# Altium PCB XTIDA-010086.PcbDoc (part 11 of 17) (continued)
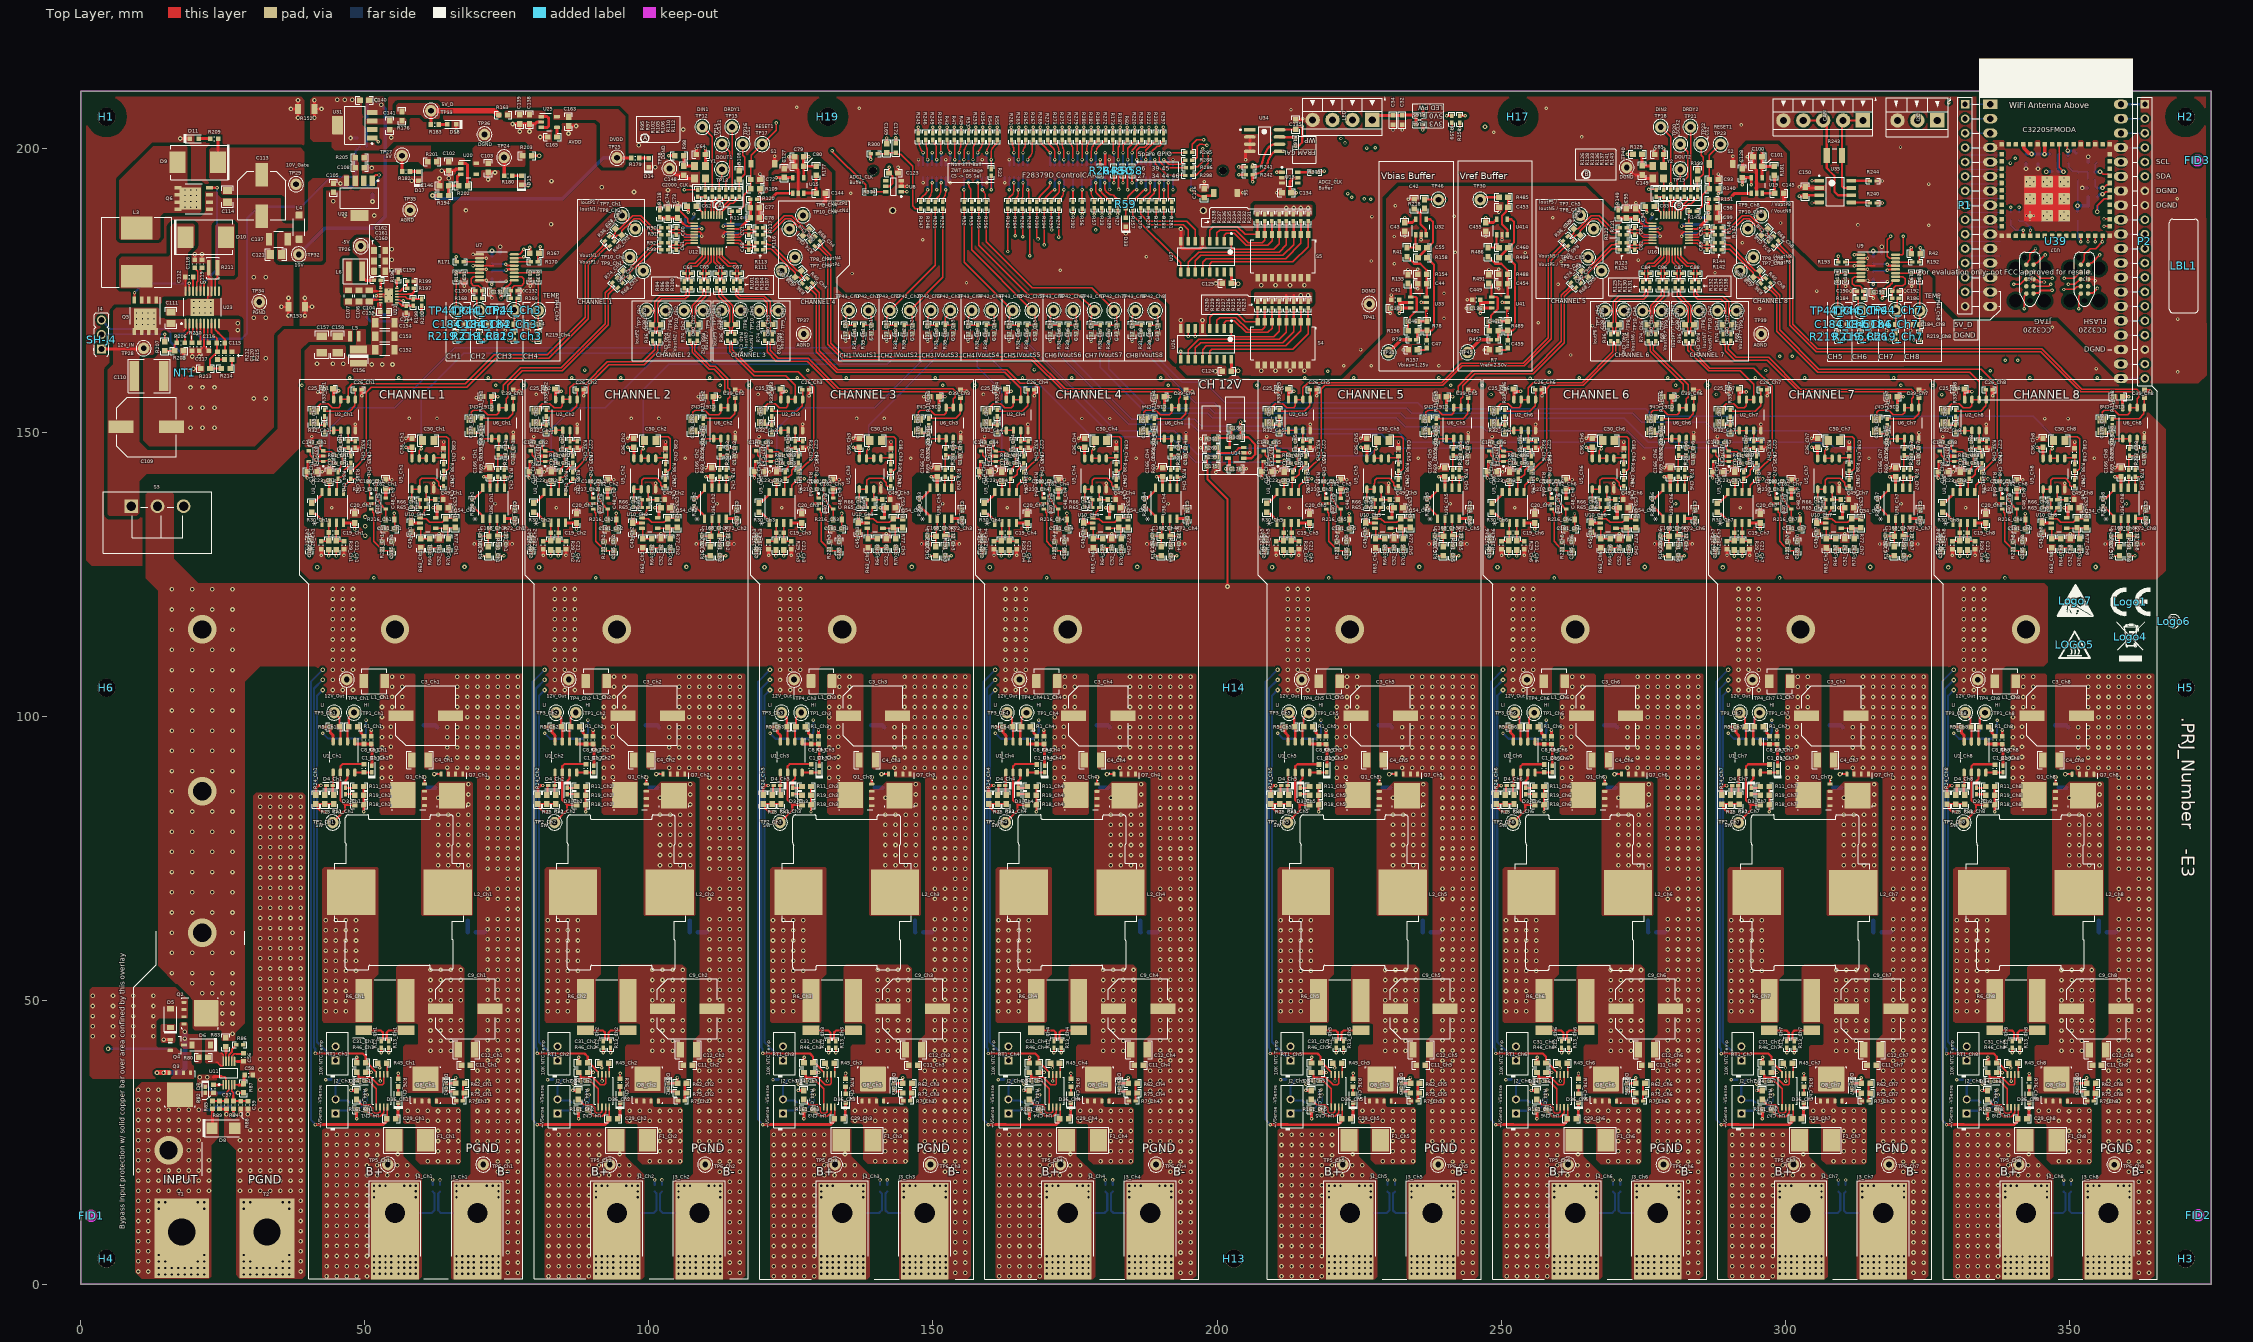
[diagram p0: Top Layer view]
## Nets (pads, with @x,y where several pads share a name; then routed paths per layer and width w, separated by ;. In a path a pad name is that pad's centre, name@x,y a point inside that pad or via, vN(x,y) a via of type N, cw(c..) or ccw(c..) an arc to the next point about the centre after c; other vN are vias at no path point) (continued)
NetC168_Ch8_2: C168_Ch8.2 C172_Ch8.1 R72_Ch8.1 R291_Ch8.1 U36_Ch8.3 | length 6.5
  Top Layer w0.254: U36_Ch8.3@360.399,134.746 360.399,133.065 C168_Ch8.2@360.378,133.044 360.378,131.747 R72_Ch8.1@360.498,131.628 ; R291_Ch8.1@360.529,129.837 360.498,129.868 R72_Ch8.1@360.498,131.628 ; C172_Ch8.1@361.958,131.693 361.893,131.628 R72_Ch8.1@360.498,131.628
NetC170_Ch1_2: C170_Ch1.2 R287_Ch1.2 U6_Ch1.3 | length 3
  Top Layer w0.254: R287_Ch1.2@74.828,147.082 R287_Ch1.2@74.841,147.094 ; U6_Ch1.3@74.854,148.862 74.841,148.849 R287_Ch1.2@74.841,147.094 ; C170_Ch1.2@76.073,147.156 76.036,147.119 74.866,147.119 R287_Ch1.2@74.841,147.094
NetC170_Ch2_2: C170_Ch2.2 R287_Ch2.2 U6_Ch2.3 | length 3
  Top Layer w0.254: R287_Ch2.2@113.894,147.08 R287_Ch2.2@113.906,147.092 ; U6_Ch2.3@113.919,148.86 113.906,148.848 R287_Ch2.2@113.906,147.092 ; C170_Ch2.2@115.138,147.154 115.101,147.117 113.931,147.117 R287_Ch2.2@113.906,147.092
NetC170_Ch3_2: C170_Ch3.2 R287_Ch3.2 U6_Ch3.3 | length 3
  Top Layer w0.254: R287_Ch3.2@153.568,147.078 R287_Ch3.2@153.581,147.091 ; U6_Ch3.3@153.594,148.858 153.581,148.846 R287_Ch3.2@153.581,147.091 ; C170_Ch3.2@154.813,147.152 154.776,147.115 153.606,147.115 R287_Ch3.2@153.581,147.091
NetC170_Ch4_2: C170_Ch4.2 R287_Ch4.2 U6_Ch4.3 | length 3
  Top Layer w0.254: R287_Ch4.2@193.243,147.076 R287_Ch4.2@193.256,147.089 ; U6_Ch4.3@193.269,148.856 193.256,148.844 R287_Ch4.2@193.256,147.089 ; C170_Ch4.2@194.488,147.15 194.45,147.113 193.28,147.113 R287_Ch4.2@193.256,147.089
NetC170_Ch5_2: C170_Ch5.2 R287_Ch5.2 U6_Ch5.3 | length 3
  Top Layer w0.254: R287_Ch5.2@242.918,147.074 R287_Ch5.2@242.931,147.087 ; U6_Ch5.3@242.943,148.854 242.931,148.842 R287_Ch5.2@242.931,147.087 ; C170_Ch5.2@244.163,147.148 244.125,147.111 242.955,147.111 R287_Ch5.2@242.931,147.087
NetC170_Ch6_2: C170_Ch6.2 R287_Ch6.2 U6_Ch6.3 | length 3
  Top Layer w0.254: R287_Ch6.2@282.593,147.072 R287_Ch6.2@282.606,147.085 ; U6_Ch6.3@282.618,148.852 282.606,148.84 R287_Ch6.2@282.606,147.085 ; C170_Ch6.2@283.837,147.146 283.8,147.109 282.63,147.109 R287_Ch6.2@282.606,147.085
NetC170_Ch7_2: C170_Ch7.2 R287_Ch7.2 U6_Ch7.3 | length 3
  Top Layer w0.254: R287_Ch7.2@322.268,147.07 R287_Ch7.2@322.28,147.083 ; U6_Ch7.3@322.293,148.85 322.28,148.838 R287_Ch7.2@322.28,147.083 ; C170_Ch7.2@323.512,147.144 323.475,147.107 322.305,147.107 R287_Ch7.2@322.28,147.083
NetC170_Ch8_2: C170_Ch8.2 R287_Ch8.2 U6_Ch8.3 | length 3
  Top Layer w0.254: R287_Ch8.2@361.942,147.068 R287_Ch8.2@361.955,147.081 ; U6_Ch8.3@361.968,148.848 361.955,148.836 R287_Ch8.2@361.955,147.081 ; C170_Ch8.2@363.187,147.142 363.15,147.105 361.98,147.105 R287_Ch8.2@361.955,147.081
NetC178_Ch1_1: C178_Ch1.1 R68_Ch1.1 U6_Ch1.6 U6_Ch1.7 | length 42.6
  Top Layer w0.254: C178_Ch1.1@68.682,152.197 68.682,153.476 69.054,153.848 70.796,153.848 71.585,153.058 73.212,153.058 73.584,153.43 U6_Ch1.7@73.584,154.312 U6_Ch1.6@74.854,154.312 74.854,155.865 75.146,156.157 75.146,158.271 77.682,160.807 84.766,160.807 92.812,168.853 92.812,174.233 93.624,175.045 93.898,175.045 94.242,175.388 R68_Ch1.1@94.486,175.388
NetC178_Ch1_2: C178_Ch1.2 R71_Ch1.1 R302_Ch1.2 | length 3.4
  Top Layer w0.254: C178_Ch1.2@68.682,150.165 69.098,149.749 R302_Ch1.2@70.51,149.749 R71_Ch1.1@70.51,151.19
NetC178_Ch2_1: C178_Ch2.1 R68_Ch2.1 U6_Ch2.6 U6_Ch2.7 | length 24
  Top Layer w0.254: C178_Ch2.1@107.747,152.195 107.747,153.474 108.119,153.846 109.861,153.846 110.65,153.056 112.277,153.056 112.649,153.428 U6_Ch2.7@112.649,154.31 U6_Ch2.6@113.919,154.31 113.919,155.863 114.211,156.155 114.211,157.51 113.894,157.827 113.894,159.361 111.685,161.569 110.818,161.569 108.074,164.314 108.074,165.197 108.311,165.434 108.311,165.877 R68_Ch2.1@108.484,166.05
NetC178_Ch2_2: C178_Ch2.2 R71_Ch2.1 R302_Ch2.2 | length 3.4
  Top Layer w0.254: C178_Ch2.2@107.747,150.163 108.163,149.747 R302_Ch2.2@109.576,149.747 R71_Ch2.1@109.576,151.188
NetC178_Ch3_1: C178_Ch3.1 R68_Ch3.1 U6_Ch3.6 U6_Ch3.7 | length 49.3
  Top Layer w0.254: R68_Ch3.1@121.709,166.026 121.322,165.639 121.322,164.397 122.748,162.972 128.052,162.972 133.441,157.583 153.514,157.583 153.886,157.211 153.886,156.153 153.594,155.861 U6_Ch3.6@153.594,154.308 U6_Ch3.7@152.324,154.308 152.324,153.426 151.952,153.054 150.325,153.054 149.536,153.844 147.794,153.844 147.422,153.472 C178_Ch3.1@147.422,152.193
NetC178_Ch3_2: C178_Ch3.2 R71_Ch3.1 R302_Ch3.2 | length 3.4
  Top Layer w0.254: C178_Ch3.2@147.422,150.161 147.838,149.745 R302_Ch3.2@149.25,149.745 R71_Ch3.1@149.25,151.186
NetC178_Ch4_1: C178_Ch4.1 R68_Ch4.1 U6_Ch4.6 U6_Ch4.7 | length 95.8
  Top Layer w0.254: R68_Ch4.1@130.119,183.634 130.119,183.389 130.481,183.028 130.481,182.641 132.003,181.118 132.003,165.663 134.405,163.261 167.603,163.261 173.284,157.581 193.189,157.581 193.561,157.209 193.561,156.151 193.269,155.859 U6_Ch4.6@193.269,154.306 U6_Ch4.7@191.999,154.306 191.999,153.424 191.627,153.052 190,153.052 189.21,153.842 187.468,153.842 187.096,153.47 C178_Ch4.1@187.096,152.191
NetC178_Ch4_2: C178_Ch4.2 R71_Ch4.1 R302_Ch4.2 | length 3.4
  Top Layer w0.254: C178_Ch4.2@187.096,150.159 187.512,149.743 R302_Ch4.2@188.925,149.743 R71_Ch4.1@188.925,151.184
NetC178_Ch5_1: C178_Ch5.1 R68_Ch5.1 U6_Ch5.6 U6_Ch5.7 | length 44.8
  Top Layer w0.254: C178_Ch5.1@236.771,152.189 236.771,153.468 237.143,153.84 238.885,153.84 239.675,153.05 241.301,153.05 241.673,153.422 U6_Ch5.7@241.673,154.304 U6_Ch5.6@242.943,154.304 242.943,155.857 243.235,156.149 243.235,158.145 245.365,160.274 255.686,160.274 261.139,165.727 261.139,173.915 262.292,175.068 262.628,175.068 262.941,175.38 R68_Ch5.1@263.185,175.38
NetC178_Ch5_2: C178_Ch5.2 R71_Ch5.1 R302_Ch5.2 | length 3.4
  Top Layer w0.254: C178_Ch5.2@236.771,150.157 237.187,149.741 R302_Ch5.2@238.6,149.741 R71_Ch5.1@238.6,151.182
NetC178_Ch6_1: C178_Ch6.1 R68_Ch6.1 U6_Ch6.6 U6_Ch6.7 | length 23.5
  Top Layer w0.254: C178_Ch6.1@276.446,152.187 276.446,153.466 276.818,153.838 278.56,153.838 279.349,153.048 280.976,153.048 281.348,153.42 U6_Ch6.7@281.348,154.302 U6_Ch6.6@282.618,154.302 282.618,155.855 282.91,156.147 282.91,158.342 276.819,164.434 276.819,165.157 277.042,165.38 277.042,165.737 277.159,165.855 R68_Ch6.1@277.159,166.056
NetC178_Ch6_2: C178_Ch6.2 R71_Ch6.1 R302_Ch6.2 | length 3.4
  Top Layer w0.254: C178_Ch6.2@276.446,150.155 276.862,149.739 R302_Ch6.2@278.275,149.739 R71_Ch6.1@278.275,151.18
NetC178_Ch7_1: C178_Ch7.1 R68_Ch7.1 U6_Ch7.6 U6_Ch7.7 | length 49.2
  Top Layer w0.254: R68_Ch7.1@290.384,166.032 290.236,165.884 290.236,165.402 290.016,165.182 290.016,164.546 291.394,163.168 297.115,163.168 302.708,157.575 322.213,157.575 322.585,157.203 322.585,156.145 322.293,155.853 U6_Ch7.6@322.293,154.3 U6_Ch7.7@321.023,154.3 321.023,153.418 320.651,153.046 319.024,153.046 318.235,153.836 316.493,153.836 316.121,153.464 C178_Ch7.1@316.121,152.185
NetC178_Ch7_2: C178_Ch7.2 R71_Ch7.1 R302_Ch7.2 | length 3.4
  Top Layer w0.254: C178_Ch7.2@316.121,150.153 316.537,149.737 R302_Ch7.2@317.95,149.737 R71_Ch7.1@317.95,151.178
NetC178_Ch8_1: C178_Ch8.1 R68_Ch8.1 U6_Ch8.6 U6_Ch8.7 | length 93.5
  Top Layer w0.254: R68_Ch8.1@298.819,183.639 298.819,183.415 299.162,183.073 299.162,182.777 301.32,180.618 301.32,168.99 305.682,164.628 345.191,164.628 352.246,157.573 361.888,157.573 362.26,157.201 362.26,156.143 361.968,155.851 U6_Ch8.6@361.968,154.298 U6_Ch8.7@360.698,154.298 360.698,153.416 360.326,153.044 358.699,153.044 357.91,153.834 356.168,153.834 355.796,153.462 C178_Ch8.1@355.796,152.183
NetC178_Ch8_2: C178_Ch8.2 R71_Ch8.1 R302_Ch8.2 | length 3.4
  Top Layer w0.254: C178_Ch8.2@355.796,150.151 356.212,149.735 R302_Ch8.2@357.624,149.735 R71_Ch8.1@357.624,151.176
NetC180_Ch1_1: C180_Ch1.1 R216_Ch1.2 R217_Ch1.1 U40_Ch1.4 | length 7.5
  Top Layer w0.254: C180_Ch1.1@52.084,141.298 52.034,141.248 R217_Ch1.1@52.034,139.927 52.034,138.326 52.55,137.81 52.55,137.589 53.169,136.97 53.169,136.845 53.55,136.464 U40_Ch1.4@53.675,136.464 53.667,136.456 R216_Ch1.2@53.667,134.605
NetC180_Ch1_2: C180_Ch1.2 R217_Ch1.2 R219_Ch1.1 U40_Ch1.1 | length 44.8
  Top Layer w0.254: C180_Ch1.2@50.659,141.323 v2(50.659,142.39) ; C180_Ch1.2@50.684,141.298 50.734,141.248 R217_Ch1.2@50.734,139.927 50.852,139.809 50.852,138.512 51,138.364 U40_Ch1.1@51.125,138.364
  Top Layer w0.541: R219_Ch1.1@66.088,166.244 v2(67.155,166.244)
  Signal Layer 2 w0.254: v2(50.659,142.39) 50.659,159.593 49.886,160.367 49.886,162.941 53.189,166.244 v2(67.155,166.244)
NetC180_Ch2_1: C180_Ch2.1 R216_Ch2.2 R217_Ch2.1 U40_Ch2.4 | length 7.5
  Top Layer w0.254: C180_Ch2.1@91.149,141.296 91.099,141.246 R217_Ch2.1@91.099,139.925 91.099,138.324 91.615,137.808 91.615,137.587 92.234,136.968 92.234,136.843 92.615,136.462 U40_Ch2.4@92.74,136.462 92.732,136.454 R216_Ch2.2@92.732,134.603
NetC180_Ch2_2: C180_Ch2.2 R217_Ch2.2 R219_Ch2.1 U40_Ch2.1 | length 43.9
  Top Layer w0.254: C180_Ch2.2@89.724,141.321 v2(89.724,142.388) ; C180_Ch2.2@89.749,141.296 89.799,141.246 R217_Ch2.2@89.799,139.925 89.917,139.807 89.917,138.51 90.065,138.362 U40_Ch2.1@90.19,138.362
  Top Layer w0.541: R219_Ch2.1@70.188,166.244 v2(71.255,166.244)
  Signal Layer 1 w0.254: v2(71.255,166.244) 76.59,160.909 v2(88.697,160.909)
  Signal Layer 2 w0.254: v2(88.697,160.909) 89.724,159.881 v2(89.724,142.388)
NetC180_Ch3_1: C180_Ch3.1 R216_Ch3.2 R217_Ch3.1 U40_Ch3.4 | length 7.5
  Top Layer w0.254: C180_Ch3.1@130.824,141.294 130.774,141.244 R217_Ch3.1@130.774,139.923 130.774,138.322 131.29,137.806 131.29,137.585 131.909,136.966 131.909,136.841 132.29,136.46 U40_Ch3.4@132.415,136.46 132.407,136.452 R216_Ch3.2@132.407,134.601
NetC180_Ch3_2: C180_Ch3.2 R217_Ch3.2 R219_Ch3.1 U40_Ch3.1 | length 79.4
  Top Layer w0.254: C180_Ch3.2@129.399,141.319 v2(129.399,142.386) ; C180_Ch3.2@129.424,141.294 129.474,141.244 R217_Ch3.2@129.474,139.923 129.592,139.805 129.592,138.508 129.74,138.36 U40_Ch3.1@129.865,138.36
  Top Layer w0.541: v2(75.221,166.244) R219_Ch3.1@76.288,166.244
  Signal Layer 1 w0.254: v2(75.221,166.244) 79.77,161.696 89.256,161.696 90.094,160.858 v2(127.965,160.858)
  Signal Layer 2 w0.254: v2(127.965,160.858) 129.399,159.424 v2(129.399,142.386)
NetC180_Ch4_1: C180_Ch4.1 R216_Ch4.2 R217_Ch4.1 U40_Ch4.4 | length 7.5
  Top Layer w0.254: C180_Ch4.1@170.499,141.292 170.449,141.242 R217_Ch4.1@170.449,139.921 170.449,138.32 170.965,137.804 170.965,137.583 171.584,136.964 171.584,136.839 171.965,136.458 U40_Ch4.4@172.09,136.458 172.082,136.45 R216_Ch4.2@172.082,134.599
NetC180_Ch4_2: C180_Ch4.2 R217_Ch4.2 R219_Ch4.1 U40_Ch4.1 | length 115
  Top Layer w0.254: C180_Ch4.2@169.074,141.317 v2(169.074,142.384) ; C180_Ch4.2@169.099,141.292 169.149,141.242 R217_Ch4.2@169.149,139.921 169.267,139.803 169.267,138.506 169.415,138.358 U40_Ch4.1@169.54,138.358
  Top Layer w0.541: v2(79.449,166.244) R219_Ch4.1@80.515,166.244
  Signal Layer 1 w0.254: v2(79.449,166.244) 83.285,162.408 89.611,162.408 90.399,161.62 128.575,161.62 129.199,160.996 v2(167.858,160.996)
  Signal Layer 2 w0.254: v2(167.858,160.996) 169.074,159.78 v2(169.074,142.384)
NetC180_Ch5_1: C180_Ch5.1 R216_Ch5.2 R217_Ch5.1 U40_Ch5.4 | length 7.5
  Top Layer w0.254: C180_Ch5.1@220.174,141.29 220.124,141.24 R217_Ch5.1@220.124,139.919 220.124,138.318 220.64,137.802 220.64,137.581 221.259,136.962 221.259,136.837 221.64,136.456 U40_Ch5.4@221.765,136.456 221.756,136.448 R216_Ch5.2@221.756,134.597
NetC180_Ch5_2: C180_Ch5.2 R217_Ch5.2 R219_Ch5.1 U40_Ch5.1 | length 117.1
  Top Layer w0.254: v2(218.774,142.357) C180_Ch5.2@218.774,141.29 218.824,141.24 R217_Ch5.2@218.824,139.919 218.942,139.801 218.942,138.504 219.09,138.356 U40_Ch5.1@219.215,138.356
  Top Layer w0.541: R219_Ch5.1@309.253,166.214 v2(310.32,166.214)
  Signal Layer 1 w0.254: v2(219.488,160.679) 257.377,160.679 257.937,161.239 294.513,161.239 295.504,162.23 306.336,162.23 v2(310.32,166.214)
  Signal Layer 2 w0.254: v2(218.774,142.357) 218.774,159.966 v2(219.488,160.679)
NetC180_Ch6_1: C180_Ch6.1 R216_Ch6.2 R217_Ch6.1 U40_Ch6.4 | length 7.5
  Top Layer w0.254: C180_Ch6.1@259.849,141.288 259.799,141.238 R217_Ch6.1@259.799,139.917 259.799,138.316 260.314,137.8 260.314,137.579 260.934,136.96 260.934,136.835 261.315,136.454 U40_Ch6.4@261.44,136.454 261.431,136.446 R216_Ch6.2@261.431,134.595
NetC180_Ch6_2: C180_Ch6.2 R217_Ch6.2 R219_Ch6.1 U40_Ch6.1 | length 81.8
  Top Layer w0.254: C180_Ch6.2@258.449,141.288 C180_Ch6.2@258.499,141.238 ; v2(258.499,142.305) C180_Ch6.2@258.499,141.238 ; U40_Ch6.1@258.89,138.354 258.765,138.354 258.617,138.502 258.617,139.799 R217_Ch6.2@258.499,139.917 C180_Ch6.2@258.499,141.238
  Top Layer w0.541: R219_Ch6.1@313.354,166.214 v2(314.42,166.214)
  Signal Layer 1 w0.254: v2(258.499,160.528) 294.742,160.528 295.758,161.544 309.75,161.544 v2(314.42,166.214)
  Signal Layer 2 w0.254: v2(258.499,142.305) v2(258.499,160.528)
NetC180_Ch7_1: C180_Ch7.1 R216_Ch7.2 R217_Ch7.1 U40_Ch7.4 | length 7.5
  Top Layer w0.254: C180_Ch7.1@299.523,141.286 299.473,141.236 R217_Ch7.1@299.473,139.915 299.473,138.314 299.989,137.798 299.989,137.577 300.608,136.958 300.608,136.833 300.989,136.452 U40_Ch7.4@301.114,136.452 301.106,136.444 R216_Ch7.2@301.106,134.593
NetC180_Ch7_2: C180_Ch7.2 R217_Ch7.2 R219_Ch7.1 U40_Ch7.1 | length 48.5
  Top Layer w0.254: v2(298.123,142.353) C180_Ch7.2@298.123,141.286 298.173,141.236 R217_Ch7.2@298.173,139.915 298.291,139.797 298.291,138.5 298.439,138.352 U40_Ch7.1@298.564,138.352
  Top Layer w0.541: v2(318.387,166.214) R219_Ch7.1@319.454,166.214
  Signal Layer 1 w0.254: v2(296.596,160.833) 313.005,160.833 316.206,164.033 v2(318.387,166.214)
  Signal Layer 2 w0.254: v2(296.596,160.833) 298.123,159.305 v2(298.123,142.353)
NetC180_Ch8_1: C180_Ch8.1 R216_Ch8.2 R217_Ch8.1 U40_Ch8.4 | length 7.5
  Top Layer w0.254: C180_Ch8.1@339.198,141.284 339.148,141.234 R217_Ch8.1@339.148,139.913 339.148,138.312 339.664,137.796 339.664,137.575 340.283,136.956 340.283,136.831 340.664,136.45 U40_Ch8.4@340.789,136.45 340.781,136.442 R216_Ch8.2@340.781,134.591
NetC180_Ch8_2: C180_Ch8.2 R217_Ch8.2 R219_Ch8.1 U40_Ch8.1 | length 40.2
  Top Layer w0.254: v2(337.798,142.351) C180_Ch8.2@337.798,141.284 337.848,141.234 R217_Ch8.2@337.848,139.913 337.966,139.795 337.966,138.498 338.114,138.35 U40_Ch8.1@338.239,138.35
  Top Layer w0.541: v2(322.614,166.214) R219_Ch8.1@323.681,166.214
  Signal Layer 1 w0.254: v2(322.614,166.214) 328.046,160.782 v2(336.118,160.782)
  Signal Layer 2 w0.254: v2(336.118,160.782) 337.798,159.102 v2(337.798,142.351)
NetC185_Ch1_2: C185_Ch1.2 R221_Ch1.2 RT1_Ch1.2 U40_Ch1.3 | length 103.6
  Top Layer w0.254: U40_Ch1.3@51.125,136.464 51.25,136.464 51.398,136.316 51.398,135.9 51.587,135.711 51.587,130.783 52.256,130.114 52.256,130.069 52.604,129.721 52.604,129.716 52.985,129.335 R221_Ch1.2@53.035,129.335 53.274,129.096 C185_Ch1.2@54.733,129.096 v2(54.733,128.029)
  Signal Layer 1 w0.254: RT1_Ch1.2@44.856,41.868 51.162,48.173 51.162,84.36 55.778,88.976 55.778,98.79 57.658,100.67 57.658,125.104 v2(54.733,128.029)
NetC185_Ch2_2: C185_Ch2.2 R221_Ch2.2 RT1_Ch2.2 U40_Ch2.3 | length 103.6
  Top Layer w0.254: U40_Ch2.3@90.19,136.462 90.315,136.462 90.463,136.314 90.463,135.898 90.653,135.709 90.653,130.781 91.321,130.112 91.321,130.067 91.669,129.719 91.669,129.714 92.05,129.333 R221_Ch2.2@92.1,129.333 92.339,129.094 C185_Ch2.2@93.798,129.094 v2(93.798,128.027)
  Signal Layer 1 w0.254: RT1_Ch2.2@83.922,41.866 90.227,48.171 90.227,84.358 94.844,88.974 94.844,98.788 96.723,100.668 96.723,125.102 v2(93.798,128.027)
NetC185_Ch3_2: C185_Ch3.2 R221_Ch3.2 RT1_Ch3.2 U40_Ch3.3 | length 103.6
  Top Layer w0.254: U40_Ch3.3@129.865,136.46 129.99,136.46 130.138,136.312 130.138,135.896 130.327,135.707 130.327,130.779 130.996,130.11 130.996,130.065 131.344,129.717 131.344,129.712 131.725,129.331 R221_Ch3.2@131.775,129.331 132.014,129.092 C185_Ch3.2@133.473,129.092 v2(133.473,128.025)
  Signal Layer 1 w0.254: RT1_Ch3.2@123.596,41.864 129.902,48.169 129.902,84.356 134.518,88.972 134.518,98.786 136.398,100.666 136.398,125.1 v2(133.473,128.025)
NetC185_Ch4_2: C185_Ch4.2 R221_Ch4.2 RT1_Ch4.2 U40_Ch4.3 | length 103.6
  Top Layer w0.254: U40_Ch4.3@169.54,136.458 169.665,136.458 169.813,136.31 169.813,135.894 170.002,135.705 170.002,130.777 170.671,130.108 170.671,130.063 171.019,129.715 171.019,129.71 171.4,129.329 R221_Ch4.2@171.45,129.329 171.689,129.09 C185_Ch4.2@173.148,129.09 v2(173.148,128.023)
  Signal Layer 1 w0.254: RT1_Ch4.2@163.271,41.862 169.577,48.167 169.577,84.354 174.193,88.97 174.193,98.784 176.073,100.664 176.073,125.098 v2(173.148,128.023)
NetC185_Ch5_2: C185_Ch5.2 R221_Ch5.2 RT1_Ch5.2 U40_Ch5.3 | length 103.6
  Top Layer w0.254: U40_Ch5.3@219.215,136.456 219.34,136.456 219.488,136.308 219.488,135.892 219.677,135.703 219.677,130.775 220.345,130.106 220.345,130.061 220.694,129.713 220.694,129.708 221.075,129.327 R221_Ch5.2@221.125,129.327 221.363,129.088 C185_Ch5.2@222.822,129.088 v2(222.822,128.021)
  Signal Layer 1 w0.254: RT1_Ch5.2@212.946,41.86 219.251,48.165 219.251,84.352 223.868,88.968 223.868,98.782 225.748,100.662 225.748,125.096 v2(222.822,128.021)
NetC185_Ch6_2: C185_Ch6.2 R221_Ch6.2 RT1_Ch6.2 U40_Ch6.3 | length 103.6
  Top Layer w0.254: U40_Ch6.3@258.89,136.454 259.015,136.454 259.163,136.306 259.163,135.89 259.352,135.701 259.352,130.773 260.02,130.104 260.02,130.059 260.369,129.711 260.369,129.706 260.75,129.325 R221_Ch6.2@260.8,129.325 261.038,129.086 C185_Ch6.2@262.497,129.086 v2(262.497,128.019)
  Signal Layer 1 w0.254: RT1_Ch6.2@252.621,41.858 258.926,48.163 258.926,84.35 263.543,88.966 263.543,98.78 265.422,100.66 265.422,125.094 v2(262.497,128.019)
NetC185_Ch7_2: C185_Ch7.2 R221_Ch7.2 RT1_Ch7.2 U40_Ch7.3 | length 103.6
  Top Layer w0.254: U40_Ch7.3@298.564,136.452 298.689,136.452 298.837,136.304 298.837,135.888 299.027,135.699 299.027,130.771 299.695,130.102 299.695,130.057 300.043,129.709 300.043,129.704 300.424,129.323 R221_Ch7.2@300.474,129.323 300.713,129.084 C185_Ch7.2@302.172,129.084 v2(302.172,128.017)
  Signal Layer 1 w0.254: RT1_Ch7.2@292.296,41.856 298.601,48.161 298.601,84.348 303.218,88.964 303.218,98.778 305.097,100.658 305.097,125.092 v2(302.172,128.017)
NetC185_Ch8_2: C185_Ch8.2 R221_Ch8.2 RT1_Ch8.2 U40_Ch8.3 | length 103.6
  Top Layer w0.254: U40_Ch8.3@338.239,136.45 338.364,136.45 338.512,136.302 338.512,135.886 338.701,135.697 338.701,130.769 339.37,130.1 339.37,130.055 339.718,129.707 339.718,129.702 340.099,129.321 R221_Ch8.2@340.149,129.321 340.388,129.082 C185_Ch8.2@341.847,129.082 v2(341.847,128.015)
  Signal Layer 1 w0.254: RT1_Ch8.2@331.97,41.854 338.276,48.159 338.276,84.346 342.892,88.962 342.892,98.776 344.772,100.656 344.772,125.09 v2(341.847,128.015)
NetC186_1: C186.1 R301.2 R303.2 U14.4 | length 6.4
  Top Layer w0.381: R301.2@199.817,148.822 199.932,148.936 R303.2@202.405,148.936 ; U14.4@201.935,147.282 202.126,147.282 202.235,147.392 202.235,148.766 R303.2@202.405,148.936 ; C186.1@202.561,150.701 202.548,150.689 202.548,149.063 R303.2@202.535,149.05 202.421,148.936 R303.2@202.405,148.936
NetC186_2: C186.2 R300.1 R303.1 U14.1 | length 102.1
  Top Layer w0.381: R303.1@204.135,149.05 R303.1@204.148,149.063 ; C186.2@204.161,150.701 204.148,150.689 R303.1@204.148,149.063 ; U14.1@204.685,145.382 206.057,145.382 206.741,146.066 206.741,147.818 205.471,149.088 204.173,149.088 R303.1@204.148,149.063
  Top Layer w0.508: v2(139.056,197.991) R300.1@139.056,199.007
  Top Layer w0.541: C186.2@204.148,150.689 v2(204.148,151.755)
  Signal Layer 1 w0.541: v2(139.056,197.991) 139.069,197.978 140.172,197.978 141.148,197.002 141.148,193.853 147.853,187.147 177.057,187.147 178.631,185.572 v2(178.65,185.572)
  Signal Layer 2 w0.541: v2(178.65,185.572) 179.019,185.572 191.541,173.05 191.541,164.362 v2(204.148,151.755)
NetC187_1: C187.1 R174.2 U9.6 | length 4.1
  Top Layer w0.254: R174.2@309.253,177.932 309.303,177.982 U9.6@313.354,177.982
NetC188_1: C188.1 R175.2 U9.12 | length 4.2
  Top Layer w0.381: v2(318.019,178.478) 318.172,178.632 U9.12@319.454,178.632
  Bottom Layer w0.381: R175.2@315.515,178.16 315.515,178.26 315.624,178.369 317.793,178.369 317.902,178.478 v2(318.019,178.478)
NetC189_1: C189.1 R178.1 U9.13 | length 4.1
  Top Layer w0.381: v2(317.957,179.497) 318.172,179.282 U9.13@319.454,179.282
  Bottom Layer w0.381: R178.1@315.515,179.678 315.612,179.58 317.874,179.58 v2(317.957,179.497)
NetC190_1: C190.1 R184.2 U9.7 | length 6.5
  Top Layer w0.254: U9.7@313.354,177.332 312.219,177.332 311.847,176.96 311.847,176.122 312.219,175.75 313.158,175.75 313.53,175.378 313.53,174.99 313.703,174.817 C190.1@313.803,174.817 R184.2@313.803,173.521
NetC192_1: C192.1 R186.2 U9.10 | length 7
  Top Layer w0.254: R186.2@318.854,173.521 C192.1@318.854,174.817 318.954,174.817 319.127,174.99 319.127,175.378 319.499,175.75 320.748,175.75 321.12,176.122 321.12,176.965 320.748,177.337 319.459,177.337 U9.10@319.454,177.332
NetC193_1: C193.1 R204.2 U9.11 | length 4.2
  Top Layer w0.254: U9.11@319.454,177.982 323.631,177.982 R204.2@323.681,177.932
NetC453_1: C453.1 R485.2 U414.3 | length 7.6
  Top Layer w0.381: U414.3@251.12,184.72 251.12,185.622 250.17,186.572 250.17,188.065 250.914,188.81 250.914,189.316 251.199,189.601 C453.1@251.224,189.601 251.255,189.632 R485.2@251.255,191.493
NetC454_1: C454.1 R486.2 R488.2 U41.3 | length 9.2
  Top Layer w0.381: R486.2@247.706,180.876 248.954,179.628 250.053,179.628 251.18,178.5 R488.2@251.18,177.763
  Top Layer w0.508: U41.3@251.078,173.761 251.18,173.863 C454.1@251.18,176.11 R488.2@251.18,177.763
NetC459_1: C459.1 R457.1 R489.2 R492.2 R494.2 | length 19.4
  Top Layer w0.381: R457.1@249.347,166.258 249.497,166.407 R492.2@249.497,167.844 249.529,167.876 R489.2@251.211,167.876 ; C459.1@251.18,166.196 251.211,166.227 R489.2@251.211,167.876 ; R494.2@251.224,180.711 252.43,179.504 252.43,168.271 252.035,167.876 R489.2@251.211,167.876
NetC459_2: C459.2 R7.2 | length 1.8
  Top Layer w0.381: R7.2@249.497,164.455 250.839,164.455 C459.2@251.18,164.796
NetC460_1: C460.1 R486.1 U414.1 | length 4.3
  Top Layer w0.381: R486.1@247.706,182.476 C460.1@249.624,182.476 249.22,182.88 U414.1@249.22,184.72
NetC460_2: C460.2 R494.1 U414.4 | length 8.7
  Top Layer w0.381: R494.1@249.624,180.711 252.258,183.345 252.258,187.013 251.801,187.47 U414.4@251.12,187.47
NetC461_1: C461.1 R489.1 U41.1 | length 4.1
  Top Layer w0.381: C461.1@249.497,169.509 R489.1@251.179,169.509 ; U41.1@251.078,171.861 251.078,169.61 R489.1@251.179,169.509 ; R489.1@251.211,169.476 R489.1@251.179,169.509
NetC461_2: C461.2 R491.2 R492.1 U41.4 | length 10.1
  Top Layer w0.381: R491.2@247.864,176.141 248.347,175.658 U41.4@248.347,173.761 249.249,173.761 249.405,173.605 249.405,171.665 248.206,170.467 248.206,169.794 247.922,169.509 C461.2@247.897,169.509 R492.1@247.897,167.844
NetCAN_1: CAN.1 CAN.2 R243.2 U35.7 | length 16.9
  Top Layer w0.381: U35.7@311.664,192.964 310.362,192.964 310.031,193.295 R243.2@310.031,198.697 310.031,204.677 CAN.2@310.205,204.851 CAN.1@313.705,204.851
NetCAN_3: CAN.3 CAN.4 R243.1 U35.6 | length 20.1
  Top Layer w0.381: CAN.4@303.205,204.851 CAN.3@306.705,204.851 307.331,204.225 R243.1@307.331,198.697 307.331,196.471 308.672,195.129 308.672,192.346 309.324,191.694 U35.6@311.664,191.694
NetD3_Ch1_2: D3_Ch1.2 R19_Ch1.1 | length 1.7
  Top Layer w0.381: D3_Ch1.2@46.586,86.27 47.989,86.27 R19_Ch1.1@48.193,86.066
NetD3_Ch2_2: D3_Ch2.2 R19_Ch2.1 | length 1.7
  Top Layer w0.381: D3_Ch2.2@85.652,86.268 87.054,86.268 R19_Ch2.1@87.258,86.064
NetD3_Ch3_2: D3_Ch3.2 R19_Ch3.1 | length 1.7
  Top Layer w0.381: D3_Ch3.2@125.326,86.266 126.729,86.266 R19_Ch3.1@126.933,86.062
NetD3_Ch4_2: D3_Ch4.2 R19_Ch4.1 | length 1.7
  Top Layer w0.381: D3_Ch4.2@165.001,86.264 166.404,86.264 R19_Ch4.1@166.608,86.06
NetD3_Ch5_2: D3_Ch5.2 R19_Ch5.1 | length 1.7
  Top Layer w0.381: D3_Ch5.2@214.676,86.262 216.078,86.262 R19_Ch5.1@216.283,86.058
NetD3_Ch6_2: D3_Ch6.2 R19_Ch6.1 | length 1.7
  Top Layer w0.381: D3_Ch6.2@254.351,86.26 255.753,86.26 R19_Ch6.1@255.958,86.056
NetD3_Ch7_2: D3_Ch7.2 R19_Ch7.1 | length 1.7
  Top Layer w0.381: D3_Ch7.2@294.026,86.258 295.428,86.258 R19_Ch7.1@295.632,86.054
NetD3_Ch8_2: D3_Ch8.2 R19_Ch8.1 | length 1.7
  Top Layer w0.381: D3_Ch8.2@333.7,86.256 335.103,86.256 R19_Ch8.1@335.307,86.052
NetD4_Ch1_2: D4_Ch1.2 R25_Ch1.1 | length 1.8
  Top Layer w0.381: R25_Ch1.1@42.947,86.121 43.107,86.281 43.107,87.649 D4_Ch1.2@43.242,87.785
NetD4_Ch2_2: D4_Ch2.2 R25_Ch2.1 | length 1.8
  Top Layer w0.381: R25_Ch2.1@82.012,86.119 82.172,86.279 82.172,87.647 D4_Ch2.2@82.308,87.784
NetD4_Ch3_2: D4_Ch3.2 R25_Ch3.1 | length 1.8
  Top Layer w0.381: R25_Ch3.1@121.687,86.117 121.847,86.277 121.847,87.645 D4_Ch3.2@121.982,87.781
NetD4_Ch4_2: D4_Ch4.2 R25_Ch4.1 | length 1.8
  Top Layer w0.381: R25_Ch4.1@161.362,86.115 161.521,86.275 161.521,87.643 D4_Ch4.2@161.657,87.779
NetD4_Ch5_2: D4_Ch5.2 R25_Ch5.1 | length 1.8
  Top Layer w0.381: R25_Ch5.1@211.037,86.113 211.196,86.273 211.196,87.641 D4_Ch5.2@211.332,87.777
NetD4_Ch6_2: D4_Ch6.2 R25_Ch6.1 | length 1.8
  Top Layer w0.381: R25_Ch6.1@250.711,86.111 250.871,86.271 250.871,87.639 D4_Ch6.2@251.007,87.775
NetD4_Ch7_2: D4_Ch7.2 R25_Ch7.1 | length 1.8
  Top Layer w0.381: R25_Ch7.1@290.386,86.109 290.546,86.269 290.546,87.638 D4_Ch7.2@290.682,87.773
NetD4_Ch8_2: D4_Ch8.2 R25_Ch8.1 | length 1.8
  Top Layer w0.381: R25_Ch8.1@330.061,86.107 330.221,86.267 330.221,87.636 D4_Ch8.2@330.356,87.771
NetD5_1: D5.1 Q4.1 R81.2 | length 2.3
  Top Layer w0.508: v1(14.58,43.053) 15.749,43.053 Q4.1@15.75,43.052
  Bottom Layer w0.508: v1(14.58,43.053) 14.581,43.052 R81.2@15.75,43.052
NetD5_2: D5.2 Q2.1 Q2.2 Q2.3 Q3.1 Q3.2 Q3.3 Q4.2
  other v1: 2.108,43.637 5.664,43.637 9.22,43.637 12.776,43.637 2.108,45.415 5.664,45.415 9.22,45.415 12.776,45.415 2.108,47.193 5.664,47.193 9.22,47.193 12.776,47.193 2.108,48.971 5.664,48.971 9.22,48.971 12.776,48.971 2.108,50.749 5.664,50.749 9.22,50.749 12.776,50.749
NetD6_1: D6.1 R80.1 U11.10 | length 4
  Top Layer w0.254: 23.724,39.043 24.026,39.043 24.587,38.481 25.043,38.481 U11.10@25.043,39.23 25.043,40.412 24.838,40.618 24.638,40.618
NetD6_2: D6.2 Q2.4 Q3.4 Q4.3 R80.2 | length 13.8
  Top Layer w0.889: v1(13.397,37.225) v1(14.565,37.225) Q3.4@15.528,37.225
  Bottom Layer w0.889: v1(13.397,37.225) v1(14.565,37.225) 17.599,37.225 18.313,37.939 v1(18.313,43.231) v1(18.313,44.425)
NetD7_1: D7.1 R87.2 U11.2 | length 11.8
  Top Layer w0.254: 24.79,36.551 25.298,36.551 25.543,36.306 U11.2@25.543,35.13
  Top Layer w0.381: v1(27.652,33.693) R87.2@28.626,33.693
  Top Layer w0.508: 23.326,36.424 23.453,36.551 24.79,36.551
  Bottom Layer w0.508: v1(20.93,35.077) 22.098,35.077 23.495,33.68 v1@27.661,33.68
  other v1: 20.93,36.424 22.276,36.424
NetD9_2: D9.2 L3.2 Q6.5 Q6.6 Q6.7 Q6.8 Q6.9
  other v4: 18.326,189.578 19.342,189.578 20.358,189.578 18.326,190.594 19.342,190.594 20.358,190.594 18.326,191.61 19.342,191.61 20.358,191.61 18.326,192.626 19.342,192.626 20.358,192.626
NetD10_2: D10.2 R211.2 U23.12 | length 4.3
  Top Layer w0.305: U23.12@23.649,174.8 23.649,176.791 24.041,177.183 R211.2@24.041,178.91
NetD11_2: D11.2 R209.2 | length 2
  Top Layer w0.508: D11.2@20.764,201.668 20.79,201.643 R209.2@22.77,201.643
NetD13_1: D13.1 J6.10 J7.10 | length 42.4
  Top Layer w0.254: v2@342.062,171.654 v2(342.111,171.704) 342.111,173.881 342.463,174.233 J6.10@342.463,174.381 ; v2@351.667,171.654 v2(351.716,171.704) 351.716,173.881 352.068,174.233 J7.10@352.068,174.381
  Signal Layer 1 w0.254: v1(345.959,195.828) 344.703,194.573 344.703,185.07 343.098,183.465 343.098,175.968 342.111,174.981 v2(342.111,171.704) 342.207,171.704 342.545,171.366 351.282,171.366 351.62,171.704 v2(351.716,171.704)
  Bottom Layer w0.541: v1(345.959,195.828) D13.1@346.935,195.828
NetD14_2: D14.2 R179.2 | length 1.7
  Top Layer w0.508: R179.2@98.287,198.247 99.939,198.247 D14.2@99.952,198.234